# Altium PCB Copy of Motor_Driver_3_Phase.PcbDoc (part 2 of 3)
Units mm, origin at the board's own origin, x right, y up, seen from the top; angles counter-clockwise.
Board outline 253 x 311.5 mm, 4 copper layers (Top Layer, Layer 1, Layer 2, Bottom Layer), stack 0.604 mm thick; 362 components, 245 nets, 1054 pads, 775 vias.
Unrouted connection lines stored in the file: 100.
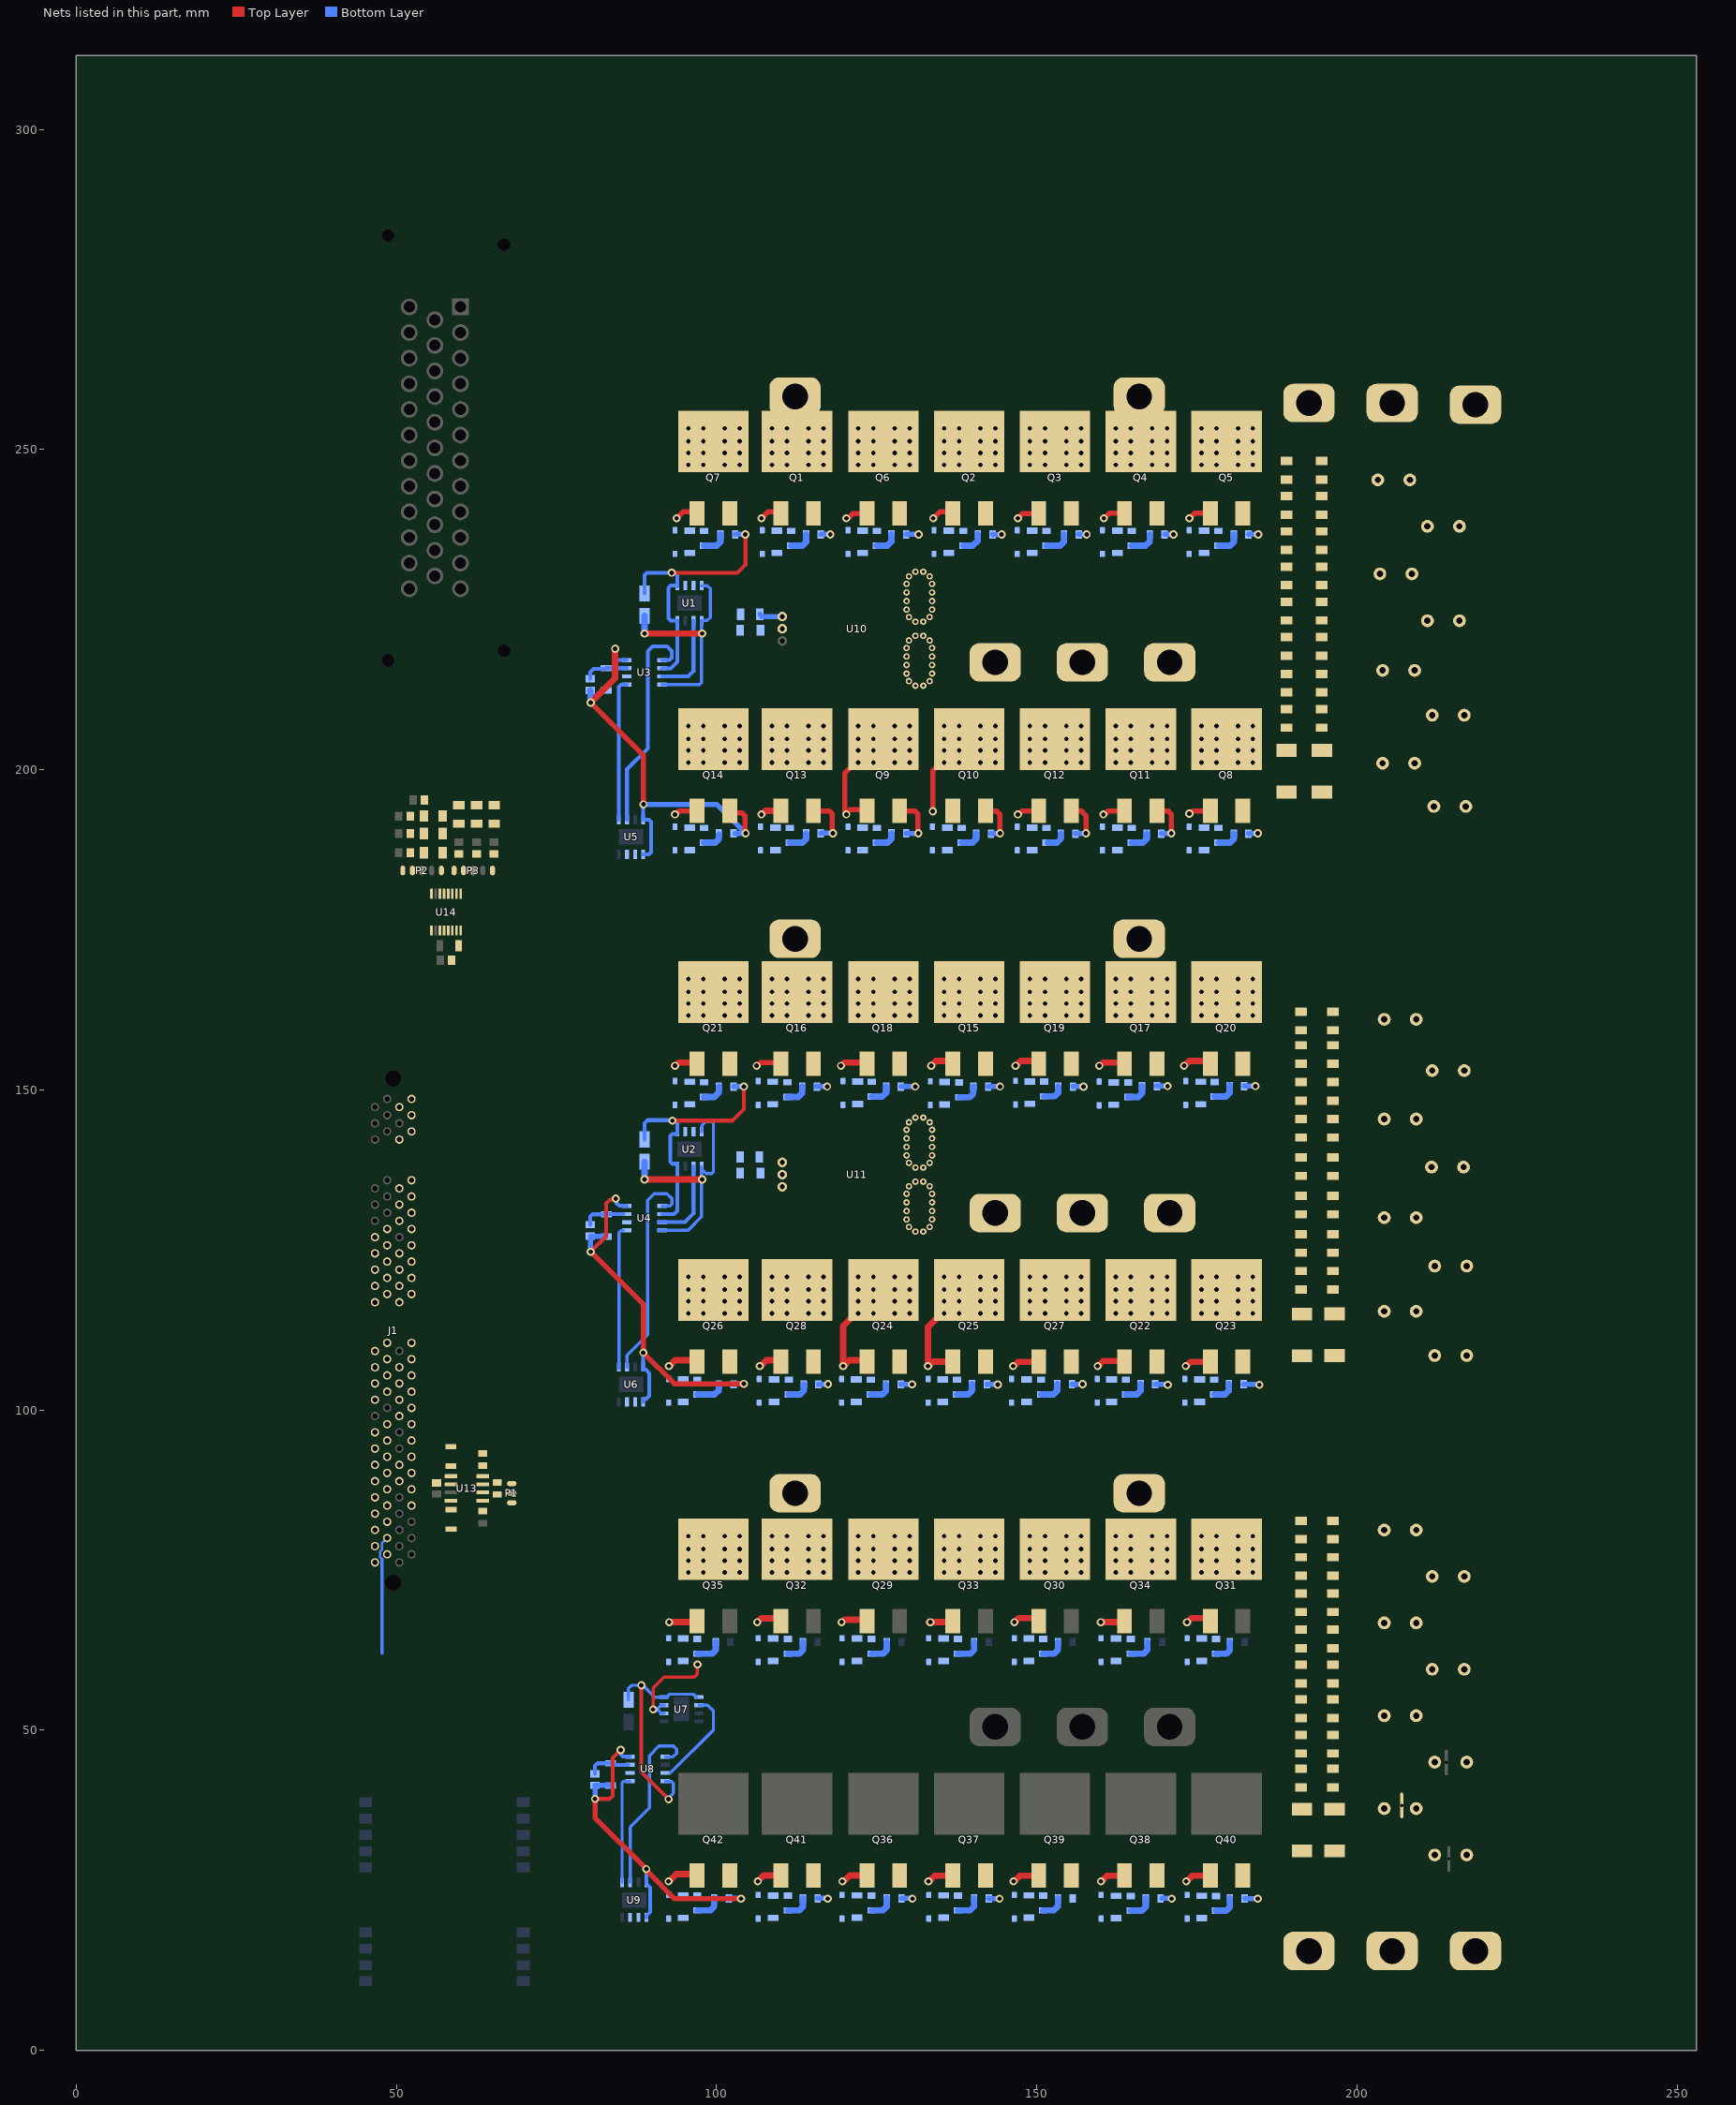
[diagram p4: the nets of this part, all layers, seen from the top]

## Via types
v1: diameter 1.27, hole 0.711, Top Layer to Bottom Layer, 775 vias

## Nets (pads, with @x,y where several pads share a name; then routed paths per layer and width w, separated by ;. In a path a pad name is that pad's centre, name@x,y a point inside that pad or via, vN(x,y) a via of type N, cw(c..) or ccw(c..) an arc to the next point about the centre after c; other vN are vias at no path point) (continued)
+48V: C1.2 C2.2 C18.2 C19.2 C31.1 C32.1 C35.2 C36.2 C40.1 C41.1 C48.1 C49.1 C52.1 C53.1 C54.1 C55.1 C56.1 C57.1 C58.1 C59.1 C60.1 C61.1 C62.1 C63.1 C64.1 C65.1 C66.1 C67.1 C68.1 C69.1 pad.2@206.98,38.239 Q1.3 Q2.3 Q3.3 Q4.3 Q5.3 Q6.3 Q7.3 Q15.3 Q16.3 Q17.3 Q18.3 Q19.3 Q20.3 Q21.3 Q29.3 Q30.3 Q31.3 Q32.3 Q33.3 Q34.3 Q35.3 T10.1 T11.1 T12.1 T16.1 T17.1 T18.1 T19.1 T20.1 T21.1
  other v1: 95.575,74.6 97.925,74.6 101.275,74.6 103.6,74.6 108.643,74.6 110.993,74.6 114.343,74.6 116.668,74.6 122.119,74.6 124.469,74.6 127.819,74.6 130.144,74.6 135.515,74.6 137.865,74.6 141.215,74.6 143.54,74.6 148.912,74.6 151.262,74.6 154.612,74.6 156.937,74.6 162.309,74.6 164.659,74.6 168.009,74.6 170.334,74.6 175.706,74.6 178.056,74.6 181.406,74.6 183.731,74.6 95.575,76.475 97.925,76.475 101.275,76.475 103.6,76.475 108.643,76.475 110.993,76.475 114.343,76.475 116.668,76.475 122.119,76.475 124.469,76.475 127.819,76.475 130.144,76.475 135.515,76.475 137.865,76.475 141.215,76.475 143.54,76.475 148.912,76.475 151.262,76.475 154.612,76.475 156.937,76.475 162.309,76.475 164.659,76.475 168.009,76.475 170.334,76.475 175.706,76.475 178.056,76.475 181.406,76.475 183.731,76.475 95.575,78.3 97.925,78.3 101.275,78.3 103.6,78.3 108.643,78.3 110.993,78.3 114.343,78.3 116.668,78.3 122.119,78.3 124.469,78.3 127.819,78.3 130.144,78.3 135.515,78.3 137.865,78.3 141.215,78.3 143.54,78.3 148.912,78.3 151.262,78.3 154.612,78.3 156.937,78.3 162.309,78.3 164.659,78.3 168.009,78.3 170.334,78.3 175.706,78.3 178.056,78.3 181.406,78.3 183.731,78.3 95.575,80.3 97.925,80.3 101.275,80.3 103.6,80.3 108.643,80.3 110.993,80.3 114.343,80.3 116.668,80.3 122.119,80.3 124.469,80.3 127.819,80.3 130.144,80.3 135.515,80.3 137.865,80.3 141.215,80.3 143.54,80.3 148.912,80.3 151.262,80.3 154.612,80.3 156.937,80.3 162.309,80.3 164.659,80.3 168.009,80.3 170.334,80.3 175.706,80.3 178.056,80.3 181.406,80.3 183.731,80.3 95.575,161.6 97.925,161.6 101.275,161.6 103.6,161.6 108.643,161.6 110.993,161.6 114.343,161.6 116.668,161.6 122.119,161.6 124.469,161.6 127.819,161.6 130.144,161.6 135.515,161.6 137.865,161.6 141.215,161.6 143.54,161.6 148.912,161.6 151.262,161.6 154.612,161.6 156.937,161.6 162.309,161.6 164.659,161.6 168.009,161.6 170.334,161.6 175.706,161.6 178.056,161.6 181.406,161.6 183.731,161.6 95.575,163.475 97.925,163.475 101.275,163.475 103.6,163.475 108.643,163.475 110.993,163.475 114.343,163.475 116.668,163.475 122.119,163.475 124.469,163.475 127.819,163.475 130.144,163.475 135.515,163.475 137.865,163.475 141.215,163.475 143.54,163.475 148.912,163.475 151.262,163.475 154.612,163.475 156.937,163.475 162.309,163.475 164.659,163.475 168.009,163.475 170.334,163.475 175.706,163.475 178.056,163.475 181.406,163.475 183.731,163.475 95.575,165.3 97.925,165.3 101.275,165.3 103.6,165.3 108.643,165.3 110.993,165.3 114.343,165.3 116.668,165.3 122.119,165.3 124.469,165.3 127.819,165.3 130.144,165.3 135.515,165.3 137.865,165.3 141.215,165.3 143.54,165.3 148.912,165.3 151.262,165.3 154.612,165.3 156.937,165.3 162.309,165.3 164.659,165.3 168.009,165.3 170.334,165.3 175.706,165.3 178.056,165.3 181.406,165.3 183.731,165.3 95.575,167.3 97.925,167.3 101.275,167.3 103.6,167.3 108.643,167.3 110.993,167.3 114.343,167.3 116.668,167.3 122.119,167.3 124.469,167.3 127.819,167.3 130.144,167.3 135.515,167.3 137.865,167.3 141.215,167.3 143.54,167.3 148.912,167.3 151.262,167.3 154.612,167.3 156.937,167.3 162.309,167.3 164.659,167.3 168.009,167.3 170.334,167.3 175.706,167.3 178.056,167.3 181.406,167.3 183.731,167.3 95.575,247.6 97.925,247.6 101.275,247.6 103.6,247.6 108.643,247.6 110.993,247.6 114.343,247.6 116.668,247.6 122.119,247.6 124.469,247.6 127.819,247.6 130.144,247.6 135.515,247.6 137.865,247.6 141.215,247.6 143.54,247.6 148.912,247.6 151.262,247.6 154.612,247.6 156.937,247.6 162.309,247.6 164.659,247.6 168.009,247.6 170.334,247.6 175.706,247.6 178.056,247.6 181.406,247.6 183.731,247.6 95.575,249.475 97.925,249.475 101.275,249.475 103.6,249.475 108.643,249.475 110.993,249.475 114.343,249.475 116.668,249.475 122.119,249.475 124.469,249.475 127.819,249.475 130.144,249.475 135.515,249.475 137.865,249.475 141.215,249.475 143.54,249.475 148.912,249.475 151.262,249.475 154.612,249.475 156.937,249.475 162.309,249.475 164.659,249.475 168.009,249.475 170.334,249.475 175.706,249.475 178.056,249.475 181.406,249.475 183.731,249.475 95.575,251.3 97.925,251.3 101.275,251.3 103.6,251.3 108.643,251.3 110.993,251.3 114.343,251.3 116.668,251.3 122.119,251.3 124.469,251.3 127.819,251.3 130.144,251.3 135.515,251.3 137.865,251.3 141.215,251.3 143.54,251.3 148.912,251.3 151.262,251.3 154.612,251.3 156.937,251.3 162.309,251.3 164.659,251.3 168.009,251.3 170.334,251.3 175.706,251.3 178.056,251.3 181.406,251.3 183.731,251.3 95.575,253.3 97.925,253.3 101.275,253.3 103.6,253.3 108.643,253.3 110.993,253.3 114.343,253.3 116.668,253.3 122.119,253.3 124.469,253.3 127.819,253.3 130.144,253.3 135.515,253.3 137.865,253.3 141.215,253.3 143.54,253.3 148.912,253.3 151.262,253.3 154.612,253.3 156.937,253.3 162.309,253.3 164.659,253.3 168.009,253.3 170.334,253.3 175.706,253.3 178.056,253.3 181.406,253.3 183.731,253.3
A: C8.2 C72.1 C73.1 C74.1 C93.1 C94.1 C95.1 C96.1 Q1.2 Q2.2 Q3.2 Q4.2 Q5.2 Q6.2 Q7.2 U1.4 U1.5 U3.6 U10.4 | length 54.4
  Top Layer w0.6: v1(93,230.75) 103.25,230.75 104.501,232.001 104.501,236.678 v1(104.46,236.719)
  Bottom Layer w0.5: C72.1@102.9,236.75 C72.1@102.915,236.735 ; v1@104.445,236.735 v1(104.46,236.719) ; C73.1@116.258,236.747 C73.1@116.258,236.747 ; v1@117.742,236.748 v1@117.743,236.75 ; C74.1@129.588,236.747 C74.1@129.614,236.773 ; v1@131.51,236.773 v1@131.536,236.799
  Bottom Layer w0.6: C8.2@88.75,227.5 88.75,230.399 89.101,230.75 v1(93,230.75) 93.494,230.75 93.845,230.399 U1.5@93.845,228.725 ; U3.6@91.487,215.835 92.835,215.835 93.845,216.845 U1.4@93.845,223.275 92.851,223.275 92.5,223.626 92.5,228.374 92.851,228.725 U1.5@93.845,228.725 ; U1.5@93.845,228.589 U1.5@93.845,228.725
  Bottom Layer w0.8: C72.1@102.915,236.735 v1@104.445,236.735 ; C73.1@116.258,236.747 v1@117.742,236.748 ; C74.1@129.614,236.773 v1@131.51,236.773 ; C93.1@143.095,236.747 143.129,236.713 144.474,236.713 v1@144.507,236.679 ; C94.1@156.539,236.747 156.556,236.729 157.759,236.729 v1@157.776,236.712 ; C95.1@169.944,236.747 169.947,236.75 171.326,236.75 v1@171.329,236.753 ; C96.1@183.056,236.747 183.076,236.767 184.554,236.767 v1@184.574,236.788
  other v1: 117.743,236.719 131.536,236.719 144.507,236.719 157.776,236.719 171.329,236.719 184.574,236.719
A1: D8.1 D9.1 Q8.3 Q9.1 Q9.3 Q10.1 Q10.3 Q11.3 Q12.3 Q13.3 Q14.3 R16.2 R18.2 R23.2 R24.2 T1.1 T2.1 T3.1 U10.5 | length 21.5
  Top Layer w0.8: v1(120.25,193) 120.25,193.127 120,193.377 120,199.386 121.719,201.104 v1(122.119,201.104) ; v1@120.25,193.25 120.377,193.25 120.854,193.727 123.331,193.727 Q9.1@123.504,193.554 ; v1(133.75,193.5) 133.75,199.861 134.219,200.329 134.74,200.329 v1(135.515,201.104)
  other v1: 95.575,201.104 97.925,201.104 101.275,201.104 103.6,201.104 108.643,201.104 110.993,201.104 114.343,201.104 116.668,201.104 124.469,201.104 127.819,201.104 130.144,201.104 137.865,201.104 141.215,201.104 143.54,201.104 148.912,201.104 151.262,201.104 154.612,201.104 156.937,201.104 162.309,201.104 164.659,201.104 168.009,201.104 170.334,201.104 175.706,201.104 178.056,201.104 181.406,201.104 183.731,201.104 95.575,202.979 97.925,202.979 101.275,202.979 103.6,202.979 108.643,202.979 110.993,202.979 114.343,202.979 116.668,202.979 122.119,202.979 124.469,202.979 127.819,202.979 130.144,202.979 135.515,202.979 137.865,202.979 141.215,202.979 143.54,202.979 148.912,202.979 151.262,202.979 154.612,202.979 156.937,202.979 162.309,202.979 164.659,202.979 168.009,202.979 170.334,202.979 175.706,202.979 178.056,202.979 181.406,202.979 183.731,202.979 95.575,204.804 97.925,204.804 101.275,204.804 103.6,204.804 108.643,204.804 110.993,204.804 114.343,204.804 116.668,204.804 122.119,204.804 124.469,204.804 127.819,204.804 130.144,204.804 135.515,204.804 137.865,204.804 141.215,204.804 143.54,204.804 148.912,204.804 151.262,204.804 154.612,204.804 156.937,204.804 162.309,204.804 164.659,204.804 168.009,204.804 170.334,204.804 175.706,204.804 178.056,204.804 181.406,204.804 183.731,204.804 95.575,206.804 97.925,206.804 101.275,206.804 103.6,206.804 108.643,206.804 110.993,206.804 114.343,206.804 116.668,206.804 122.119,206.804 124.469,206.804 127.819,206.804 130.144,206.804 135.515,206.804 137.865,206.804 141.215,206.804 143.54,206.804 148.912,206.804 151.262,206.804 154.612,206.804 156.937,206.804 162.309,206.804 164.659,206.804 168.009,206.804 170.334,206.804 175.706,206.804 178.056,206.804 181.406,206.804 183.731,206.804
ADC_A0: J1.14
ADC_A1: J1.18
ADC_A2: J1.22
ADC_A3: J1.26
ADC_A4: J1.30
ADC_A5: J1.34
ADC_A6: J1.38
ADC_A7: J1.42
ADC_B0: J1.13
ADC_B1: J1.17
ADC_B2: J1.21
ADC_B3: J1.25
ADC_B4: J1.29
ADC_B5: J1.33
ADC_B6: J1.37
ADC_B7: J1.41
B: C9.2 C104.1 C105.1 C106.1 C107.1 C108.1 C109.1 C110.1 Q15.2 Q16.2 Q17.2 Q18.2 Q19.2 Q20.2 Q21.2 U2.4 U2.5 U4.6 U11.4 | length 54.1
  Top Layer w0.6: v1(93.088,145.186) 102.474,145.186 104.25,146.962 v1(104.25,150.5)
  Bottom Layer w0.6: C9.2@88.75,142.25 88.75,144.75 89.25,145.25 93.494,145.25 93.845,144.899 U2.5@93.845,143.75 ; U4.6@91.487,130.585 93.335,130.585 93.845,131.095 93.845,138.45 93.101,138.45 92.75,138.801 92.75,142.769 93.101,143.121 93.845,143.121 U2.5@93.845,143.475
  Bottom Layer w0.8: C110.1@102.65,150.5 v1(104.25,150.5) ; C104.1@115.55,150.5 v1(117.25,150.5) ; C105.1@128.782,150.507 128.789,150.5 v1@131.25,150.5 ; C106.1@142.39,150.5 v1(144.25,150.5) ; C107.1@155.664,150.486 v1@157.265,150.486 ; C108.1@168.752,150.571 v1@170.655,150.571 ; C109.1@182.396,150.567 182.406,150.576 v1(184.12,150.576)
  other v1: 157.278,150.473 131,150.5 170.409,150.576
B1: D22.1 D23.1 Q22.3 Q23.3 Q24.1 Q24.3 Q25.1 Q25.3 Q26.3 Q27.3 Q28.3 R47.2 R48.2 R54.2 R55.2 T4.1 T5.1 T6.1 U11.5 | length 33
  Top Layer w0.8: Q23.3@177.75,122.504 Q23.3@181.5,118.754
  Top Layer w1: v1(122.119,115.104) 121.719,115.104 119.75,113.136 v1(119.75,106.843) 119.823,106.843 120.73,107.75 123.308,107.75 Q24.1@123.504,107.554 ; v1(135.515,115.104) 135.115,115.104 133,112.989 v1(133,106.843) 133.073,106.843 133.73,107.5 133.75,107.5 133.804,107.554 Q25.1@136.9,107.554 Q25.1@137.21,107.554
  other v1: 95.575,115.104 97.925,115.104 101.275,115.104 103.6,115.104 108.643,115.104 110.993,115.104 114.343,115.104 116.668,115.104 124.469,115.104 127.819,115.104 130.144,115.104 137.865,115.104 141.215,115.104 143.54,115.104 148.912,115.104 151.262,115.104 154.612,115.104 156.937,115.104 162.309,115.104 164.659,115.104 168.009,115.104 170.334,115.104 175.706,115.104 178.056,115.104 181.406,115.104 183.731,115.104 95.575,116.979 97.925,116.979 101.275,116.979 103.6,116.979 108.643,116.979 110.993,116.979 114.343,116.979 116.668,116.979 122.119,116.979 124.469,116.979 127.819,116.979 130.144,116.979 135.515,116.979 137.865,116.979 141.215,116.979 143.54,116.979 148.912,116.979 151.262,116.979 154.612,116.979 156.937,116.979 162.309,116.979 164.659,116.979 168.009,116.979 170.334,116.979 175.706,116.979 178.056,116.979 181.406,116.979 183.731,116.979 95.575,118.804 97.925,118.804 101.275,118.804 103.6,118.804 108.643,118.804 110.993,118.804 114.343,118.804 116.668,118.804 122.119,118.804 124.469,118.804 127.819,118.804 130.144,118.804 135.515,118.804 137.865,118.804 141.215,118.804 143.54,118.804 148.912,118.804 151.262,118.804 154.612,118.804 156.937,118.804 162.309,118.804 164.659,118.804 168.009,118.804 170.334,118.804 175.706,118.804 178.056,118.804 181.406,118.804 183.731,118.804 95.575,120.804 97.925,120.804 101.275,120.804 103.6,120.804 108.643,120.804 110.993,120.804 114.343,120.804 116.668,120.804 122.119,120.804 124.469,120.804 127.819,120.804 130.144,120.804 135.515,120.804 137.865,120.804 141.215,120.804 143.54,120.804 148.912,120.804 151.262,120.804 154.612,120.804 156.937,120.804 162.309,120.804 164.659,120.804 168.009,120.804 170.334,120.804 175.706,120.804 178.056,120.804 181.406,120.804 183.731,120.804
CANH: P1.1 R99.2 U13.7
CANL: P1.2 R99.1 U13.6
EQEP1A: C22.2 P2.1 R103.1 U14.16
EQEP1B: C39.2 P2.2 R104.1 U14.14 | length 0
  Top Layer w0.4: U14.14@56.77,180.625 U14.14@56.775,180.62
EQEP1I: C87.2 P2.3 R105.1 U14.13
EQEP2A: C88.2 P3.1 R106.1 U14.12 | length 0
  Top Layer w0.4: C88.2@59.733,191.533 C88.2@59.75,191.55
EQEP2B: C89.2 P3.2 R107.1 U14.11 | length 0.1
  Top Layer w0.4: C89.2@62.452,191.502 C89.2@62.5,191.55
EQEP2I: C90.2 P3.3 R108.1 U14.10 | length 0.8
  Top Layer w0.4: R108.1@64.6,186.85 R108.1@65.25,186.85 ; C90.2@65.176,191.476 C90.2@65.25,191.55
GND: C5.2 C14.2 C15.2 C22.1 C26.2 C31.2 C32.2 C39.1 C40.2 C41.2 C48.2 C49.2 C52.2 C53.2 C54.2 C55.2 C56.2 C57.2 C58.2 C59.2 C60.2 C61.2 C62.2 C63.2 C64.2 C65.2 C66.2 C67.2 C68.2 C69.2 C87.1 C88.1 C89.1 C90.1 C91.2 C92.2 C97.1 C98.1 C99.1 C100.1 C101.1 C102.1 C103.1 C111.1 C112.1 C113.1 C114.1 C115.1 C116.1 C117.1 C125.1 C126.1 C127.1 C128.1 C129.1 C130.1 C131.1 J1.15 J1.16 J1.19 J1.20 J1.23 J1.24 J1.27 J1.28 J1.53 J1.73 J1.93 P2.5 P3.5 Q8.2 Q9.2 Q10.2 Q11.2 Q12.2 Q13.2 Q14.2 Q22.2 Q23.2 Q24.2 Q25.2 Q26.2 Q27.2 Q28.2 Q36.2 Q37.2 Q38.2 Q39.2 Q40.2 Q41.2 Q42.2 R22.1 R30.1 R31.1 R53.1 R61.1 R62.1 R84.1 R92.1 R93.1 R102.1 T13.1 T14.1 T15.1 U3.4 U4.4 U5.4 U5.5 U6.4 U6.5 U8.4 U9.4 U9.5 U13.2 U14.9 | length 251.4
  Top Layer w0.5: C22.1@57,186.8 C22.1@57.2,187
  Top Layer w0.6: v1(80.343,124.704) 82.75,127.112 82.75,132.25 83.372,132.872 84.122,132.872 v1(84.25,133) ; v1(81.009,39.259) 83.259,39.259 83.75,39.75 83.75,45.635 v1(85.011,46.896)
  Top Layer w0.8: v1(80.34,210.471) 88.576,202.235 v1(88.576,194.577) ; v1(80.343,124.704) 88.54,116.507 v1(88.54,108.96) 93.414,104.086 v1(104.25,104.086) ; v1(81.009,39.259) 81.009,36.307 v1(89.014,28.301) 89.104,28.211 89.104,28.019 93.451,23.672 v1(103.807,23.672) ; Q14.2@102.04,193.554 102.344,193.25 103.967,193.25 104.436,192.781 104.436,190.142 v1@104.526,190.052 ; Q13.2@115.108,193.554 117.602,193.554 118.07,193.086 118.07,190.18 v1@118.16,190.09 ; Q9.2@128.584,193.554 130.941,193.554 131.41,193.086 131.41,190.09 v1@131.5,190 ; Q10.2@141.98,193.554 142.035,193.5 143.75,193.5 144.25,193 v1(144.25,190.047) v1@144.25,190 ; Q12.2@155.377,193.554 155.432,193.5 157,193.5 157.666,192.834 v1(157.666,190.047) v1@157.666,189.955 ; Q11.2@168.774,193.554 168.828,193.5 170.531,193.5 171,193.031 v1@171,190
  Top Layer w1: v1(80.34,210.471) 84.159,214.29 v1(84.159,218.866)
  Bottom Layer w0.6: v1@80.305,124.742 v1(80.343,124.704) ; C15.2@80.305,127.09 C15.2@80.309,127.094 ; R53.1@82.736,127.094 R53.1@82.778,127.052 ; v1(84.159,218.866) 84.159,217.457 84.51,217.105 U3.4@85.957,217.105 ; v1(84.25,133) 84.378,132.872 84.378,132.306 84.804,131.88 85.932,131.88 U4.4@85.957,131.855 ; v1(85.011,46.896) 85.011,46.239 85.37,45.88 86.432,45.88 U8.4@86.457,45.855 ; U6.5@88.54,101.25 88.54,101.675 88.965,101.675 89.5,102.21 89.5,105.74 88.965,106.275 88.54,106.275 U6.4@88.54,106.7 v1(88.54,108.96) ; U5.5@88.54,186.75 89.399,186.75 89.75,187.101 89.75,191.849 89.399,192.2 U5.4@88.54,192.2 88.54,194.541 v1(88.576,194.577) ; v1(89.014,28.301) 89.027,28.288 89.027,26.213 U9.4@89.04,26.2 89.04,25.975 89.64,25.375 89.64,21.575 89.04,20.975 U9.5@89.04,20.75
  Bottom Layer w0.8: v1@80.305,124.742 C15.2@80.305,127.09 ; C15.2@80.309,127.094 R53.1@82.736,127.094 ; v1(81.009,39.259) 81.009,41.31 81.05,41.352 83.433,41.352 R84.1@83.467,41.319 ; v1(88.576,194.577) 99.995,194.577 v1@104.523,190.049 ; C129.1@101.9,23.74 101.916,23.724 103.791,23.724 v1@103.807,23.708 ; C115.1@102.65,103.999 102.736,104.086 v1(104.25,104.086) ; C101.1@102.9,190.031 102.91,190.041 104.515,190.041 v1@104.523,190.049 ; v1(104.526,190.047) v1@104.523,190.049 ; C130.1@115.771,23.74 115.786,23.755 117.328,23.755 v1@117.343,23.77 ; C116.1@115.9,103.999 115.917,104.017 117.372,104.017 v1(117.389,104.034) ; C102.1@116.258,190.031 116.287,190.061 118.131,190.061 v1@118.16,190.09 ; C111.1@128.761,103.999 v1(130.5,104) ; C125.1@128.86,23.74 128.873,23.754 130.553,23.754 v1@130.567,23.768 ; C97.1@129.588,190.031 129.603,190.016 131.484,190.016 v1@131.5,190 ; C112.1@142.225,103.986 v1@143.875,103.986 ; C126.1@142.506,23.74 142.54,23.706 144.141,23.706 v1(144.175,23.672) ; C98.1@142.845,190 142.868,190.023 144.227,190.023 v1(144.25,190.047) ; C117.1@155.51,104.024 v1@157.129,104.024 ; C103.1@156.039,190 156.062,190.023 157.643,190.023 v1(157.666,190.047) ; v1@157.643,189.978 v1@157.666,189.955 ; C113.1@168.492,104.014 168.537,103.969 170.16,103.969 v1@170.205,103.924 ; C99.1@169.444,189.988 169.456,190 v1@171,190 ; C127.1@169.563,23.74 169.581,23.723 171.04,23.723 v1@171.057,23.705 ; C114.1@182.293,104.014 182.338,103.969 v1@184.705,103.969 ; C128.1@182.451,23.74 182.485,23.706 184.456,23.706 v1(184.49,23.672) ; C100.1@183.056,190 183.079,190.023 184.477,190.023 v1(184.5,190.047)
  Bottom Layer w1: C14.2@80.267,212.385 80.303,212.349 80.303,210.508 v1(80.34,210.471)
  other v1: 117.343,23.672 130.567,23.672 171.057,23.672 170.455,103.924 184.75,103.924 143.903,103.958 157.138,104.033 118.16,190.047 131.5,190.047 171,190.047
GPIO_00: J1.45 U3.2
GPIO_01: J1.46
GPIO_02: J1.47 U4.2 | length 18.6
  Bottom Layer w0.4: 47.75,76.687 47.441,76.996 47.441,77.914 47.75,78.223 ; 47.759,78.266 47.759,79.259 J1.47@48.373,79.873 ; J1.47@48.371,79.876 48.49,79.995 48.495,79.995 J1.47@48.55,79.995
  Bottom Layer w0.5: 47.75,62 47.75,75.717 47.759,75.726 47.759,76.644 47.75,76.653 47.75,76.687 ; J1.47@48.371,79.876 48.371,79.874 48.373,79.873 J1.47@48.38,79.865
GPIO_03: J1.48
GPIO_04: J1.49 U8.2
GPIO_05: J1.50
GPIO_06: J1.51
GPIO_07: J1.52
GPIO_08: J1.55
GPIO_09: J1.56
GPIO_10: J1.57
GPIO_11: J1.58
GPIO_12: J1.65
GPIO_13: J1.66
GPIO_14: J1.68
GPIO_15: J1.67
GPIO_16: J1.75
GPIO_17: J1.76
GPIO_18: J1.77
GPIO_19: J1.78
GPIO_20: J1.79 U14.1
GPIO_21: J1.80 U14.3
GPIO_22: J1.81
GPIO_23: J1.82 U14.4
GPIO_24: J1.69
GPIO_25: J1.70
GPIO_26: J1.71
GPIO_27: J1.72
GPIO_30: J1.87 R101.1
GPIO_31: J1.88 R100.1
GPIO_32: J1.89
GPIO_33: J1.90
GPIO_34: J1.91
GPIO_40: J1.59
GPIO_41: J1.60
GPIO_42: J1.61
GPIO_43: J1.62
GPIO_44: J1.36
GPIO_50: J1.63
GPIO_51: J1.83
GPIO_54: J1.39 U14.5
GPIO_55: J1.40 U14.6
GPIO_56: J1.43 U14.7
GPIO_57: J1.44
GPIO_58: J1.35
IFBA: C70.2 R94.2
IFBB: C71.2 R95.2
ISO5V: U11.1
ISO5vGnd: C70.1 C71.1 U10.2 U11.2
NetC1_1: C1.1 C3.2
NetC2_1: C2.1 C4.2
NetC3_1: C3.1 C6.2
NetC4_1: C4.1 C7.2
NetC6_1: C6.1 C10.2
NetC7_1: C7.1 C11.2
NetC8_1: C8.1 U1.1 U1.8 U3.8 | length 35.3
  Top Layer w1: v1(88.75,221.25) v1(97.75,221.25)
  Bottom Layer w0.5: U3.8@91.487,213.295 97.362,213.295 97.655,213.588 U1.1@97.655,223.275 98.525,223.275 99,223.75 99,228.25 98.525,228.725 U1.8@97.655,228.725
  Bottom Layer w1: v1(88.75,221.25) C8.1@88.75,224
NetC9_1: C9.1 U2.1 U2.8 U4.8 | length 40.2
  Top Layer w1: v1(88.75,136) v1(97.75,136)
  Bottom Layer w0.5: U4.8@90.987,128.045 95.545,128.045 97.655,130.155 97.655,136 U2.1@97.655,137.6 ; U2.1@97.655,138.025 U2.1@97.655,137.6 ; U2.8@97.655,143.475 97.705,143.525 97.705,144.455 98.365,145.115 99.207,145.115 99.5,144.822 99.5,137.189 99.207,136.896 98.359,136.896 97.705,137.55 U2.1@97.655,137.6
  Bottom Layer w1: v1(88.75,136) C9.1@88.75,138.75
NetC10_1: C10.1 C12.2
NetC11_1: C11.1 C13.2
NetC12_1: C12.1 C16.2
NetC13_1: C13.1 C17.2
NetC14_1: C14.1 R22.2 U3.3 | length 7
  Bottom Layer w0.6: C14.1@80.267,214.185 80.25,214.202 80.25,215.25 80.75,215.75 82.641,215.75 R22.2@82.744,215.853 82.752,215.844 85.948,215.844 U3.3@85.957,215.835
NetC15_1: C15.1 R53.2 U4.3 | length 6.6
  Bottom Layer w0.6: C15.1@80.267,128.935 80.267,130.2 80.619,130.552 R53.2@82.778,130.552 82.794,130.569 85.44,130.569 U4.3@85.457,130.585
NetC16_1: C16.1 C75.2
NetC17_1: C17.1 C76.2
NetC18_1: C18.1 C20.2
NetC19_1: C19.1 C21.2
NetC20_1: C20.1 C24.2
NetC21_1: C21.1 C25.2
NetC23_1: C23.1 U7.1 U7.8 U8.8 | length 37.4
  Top Layer w0.6: v1(88.25,57) 88.25,43.458 v1(92.5,39.208)
  Bottom Layer w0.5: C23.1@86.238,54.75 86.25,54.762 86.25,56.5 86.75,57 v1(88.25,57) 88.5,57 90.345,55.155 U7.8@91.775,55.155 92.2,55.155 92.65,55.605 96.35,55.605 U7.1@96.8,55.155 ; U8.8@91.987,42.045 92.062,41.97 92.957,41.97 93.25,41.677 93.25,40.167 92.5,39.417 v1(92.5,39.208)
NetC24_1: C24.1 C27.2
NetC25_1: C25.1 C28.2
NetC26_1: C26.1 R84.2 U8.3 | length 6.7
  Bottom Layer w0.6: C26.1@81.017,43.185 81.017,44.407 81.429,44.819 R84.2@83.467,44.819 83.817,44.819 84.05,44.585 U8.3@86.207,44.585
NetC27_1: C27.1 C29.2
NetC28_1: C28.1 C30.2
NetC29_1: C29.1 C33.2
NetC30_1: C30.1 C34.2
NetC33_1: C33.1 C79.2
NetC34_1: C34.1 C80.2
NetC35_1: C35.1 C37.2
NetC36_1: C36.1 C38.2
NetC37_1: C37.1 C42.2
NetC38_1: C38.1 C43.2
NetC42_1: C42.1 C44.2
NetC43_1: C43.1 C45.2
NetC44_1: C44.1 C46.2
NetC45_1: C45.1 C47.2
NetC46_1: C46.1 C50.2
NetC47_1: C47.1 C51.2
NetC50_1: C50.1 C83.2
NetC51_1: C51.1 C84.2
NetC72_2: C72.2 R14.1 | length 4
  Bottom Layer w1: R14.1@98.036,234.974 100.014,234.974 100.6,235.56 C72.2@100.6,236.75
NetC73_2: C73.2 R3.1 | length 3.7
  Bottom Layer w1: R3.1@111.657,234.974 113.372,234.974 113.958,235.56 C73.2@113.958,236.747
NetC74_2: C74.2 R5.1 | length 3.7
  Bottom Layer w1: R5.1@125.001,234.974 126.664,234.974 127.288,235.597 C74.2@127.288,236.747
NetC75_1: C75.1 C77.2
NetC76_1: C76.1 C78.2
NetC77_1: C77.1 R30.2
NetC78_1: C78.1 R31.2
NetC79_1: C79.1 C81.2
NetC80_1: C80.1 C82.2
NetC81_1: C81.1 R61.2
NetC82_1: C82.1 R62.2
NetC83_1: C83.1 C85.2
NetC84_1: C84.1 C86.2
NetC85_1: C85.1 R92.2
NetC86_1: C86.1 R93.2
NetC93_2: C93.2 R7.1 | length 3.6
  Bottom Layer w1: R7.1@138.519,234.974 139.974,234.974 140.795,235.795 C93.2@140.795,236.747
NetC94_2: C94.2 R9.1 | length 4.1
  Bottom Layer w1: R9.1@151.52,234.974 153.653,234.974 154.239,235.56 C94.2@154.239,236.747
NetC95_2: C95.2 R11.1 | length 4.2
  Bottom Layer w1: R11.1@164.81,234.974 166.974,234.974 167.644,235.644 C95.2@167.644,236.747
NetC96_2: C96.2 R13.1 | length 3.8
  Bottom Layer w1: R13.1@178.381,234.974 180.17,234.974 180.756,235.56 C96.2@180.756,236.747
NetC97_2: C97.2 R23.1 | length 3.4
  Bottom Layer w1: R23.1@125.001,188.588 126.702,188.588 127.288,189.174 C97.2@127.288,190.031
NetC98_2: C98.2 R24.1 | length 3.3
  Bottom Layer w1: R24.1@138.269,188.588 139.959,188.588 140.545,189.174 C98.2@140.545,190
NetC99_2: C99.2 R25.1 | length 3.4
  Bottom Layer w1: R25.1@164.81,188.588 166.558,188.588 167.144,189.174 C99.2@167.144,190
NetC100_2: C100.2 R26.1 | length 3.4
  Bottom Layer w1: R26.1@178.381,188.588 180.164,188.588 180.75,189.174 180.75,189.844 180.756,189.85 C100.2@180.756,190
NetC101_2: C101.2 R27.1 | length 3.3
  Bottom Layer w1: R27.1@98.036,188.588 99.764,188.588 100.35,189.174 C101.2@100.35,189.881
NetC102_2: C102.2 R28.1 | length 3.7
  Bottom Layer w1: R28.1@111.407,188.588 113.372,188.588 113.958,189.174 C102.2@113.958,190.031
NetC103_2: C103.2 R29.1 | length 3.1
  Bottom Layer w1: R29.1@151.75,188.588 153.153,188.588 153.739,189.174 C103.2@153.739,190
NetC104_2: C104.2 R34.1 | length 3.6
  Bottom Layer w1: R34.1@111.027,148.88 112.764,148.88 113.35,149.466 C104.2@113.35,150.5
NetC105_2: C105.2 R36.1 | length 3.4
  Bottom Layer w1: R36.1@124.236,148.941 125.869,148.941 126.474,149.547 C105.2@126.474,150.5
NetC106_2: C106.2 R38.1 | length 3.5
  Bottom Layer w1: R38.1@137.872,148.832 139.482,148.832 140.068,149.418 140.068,150.328 140.09,150.35 C106.2@140.09,150.5
NetC107_2: C107.2 R40.1 | length 3.4
  Bottom Layer w1: R40.1@151.154,148.975 152.764,148.975 153.35,149.561 C107.2@153.35,150.5
NetC108_2: C108.2 R42.1 | length 3.5
  Bottom Layer w1: R42.1@164.269,148.864 165.862,148.864 166.447,149.449 C108.2@166.447,150.567
NetC109_2: C109.2 R44.1 | length 3.8
  Bottom Layer w1: R44.1@177.792,148.933 179.511,148.933 180.096,149.519 C109.2@180.096,150.741
NetC110_2: C110.2 R45.1 | length 3.5
  Bottom Layer w1: R45.1@98.036,148.88 99.63,148.88 100.35,149.6 C110.2@100.35,150.5
NetC111_2: C111.2 R54.1 | length 3.6
  Bottom Layer w1: R54.1@124.05,102.428 125.875,102.428 126.461,103.014 C111.2@126.461,103.999
NetC112_2: C112.2 R55.1 | length 3.6
  Bottom Layer w1: R55.1@137.56,102.428 139.311,102.428 139.897,103.014 C112.2@139.897,104.014
NetC113_2: C113.2 R56.1 | length 3.5
  Bottom Layer w1: R56.1@163.914,102.428 165.606,102.428 166.192,103.014 C113.2@166.192,104.014
NetC114_2: C114.2 R57.1 | length 3.5
  Bottom Layer w1: R57.1@177.72,102.428 179.407,102.428 179.993,103.014 C114.2@179.993,104.014
NetC115_2: C115.2 R58.1 | length 4.5
  Bottom Layer w1: R58.1@96.982,102.428 99.678,102.428 100.35,103.1 C115.2@100.35,103.999
NetC116_2: C116.2 R59.1 | length 3.6
  Bottom Layer w1: R59.1@111.25,102.428 113.014,102.428 113.6,103.014 C116.2@113.6,103.999
NetC117_2: C117.2 R60.1 | length 3.8
  Bottom Layer w1: R60.1@150.666,102.428 152.615,102.428 153.2,103.014 C117.2@153.2,104.014
NetC118_2: C118.2 R65.1 | length 3.8
  Bottom Layer w1: R65.1@111.127,61.932 112.885,61.932 113.471,62.518 C118.2@113.471,63.772
NetC119_2: C119.2 R67.1 | length 3.9
  Bottom Layer w1: R67.1@124.189,61.932 125.974,61.932 126.56,62.518 C119.2@126.56,63.772
NetC120_2: C120.2 R69.1 | length 4
  Bottom Layer w1: R69.1@137.67,61.932 139.62,61.932 140.206,62.518 C120.2@140.206,63.772
NetC121_2: C121.2 R71.1 | length 3.8
  Bottom Layer w1: R71.1@151.01,61.932 152.711,61.932 153.297,62.518 C121.2@153.297,63.772
NetC122_2: C122.2 R73.1 | length 4.1
  Bottom Layer w1: R73.1@164.678,61.932 166.678,61.932 167.263,62.518 C122.2@167.263,63.772
NetC123_2: C123.2 R75.1 | length 3.7
  Bottom Layer w1: R75.1@177.973,61.932 179.565,61.932 180.151,62.518 C123.2@180.151,63.772
NetC124_2: C124.2 R76.1 | length 4.4
  Bottom Layer w1: R76.1@96.982,61.932 99.264,61.932 99.85,62.518 C124.2@99.85,63.772
NetC125_2: C125.2 R85.1 | length 3.9
  Bottom Layer w1: R85.1@124.189,21.852 125.974,21.852 126.56,22.437 C125.2@126.56,23.74
NetC126_2: C126.2 R86.1 | length 4.1
  Bottom Layer w1: R86.1@137.67,21.852 139.62,21.852 140.206,22.437 C126.2@140.206,23.74
NetC127_2: C127.2 R87.1 | length 3.9
  Bottom Layer w1: R87.1@164.678,21.802 164.828,21.802 164.835,21.795 166.428,21.795 167.013,22.381 C127.2@167.013,23.74
NetC128_2: C128.2 R88.1 | length 3.8
  Bottom Layer w1: R88.1@177.973,21.802 179.565,21.802 180.151,22.387 C128.2@180.151,23.74
NetC129_2: C129.2 R89.1 | length 4.2
  Bottom Layer w1: R89.1@96.982,21.839 99.014,21.839 99.6,22.425 C129.2@99.6,23.74
NetC130_2: C130.2 R90.1 | length 3.9
  Bottom Layer w1: R90.1@111.127,21.839 112.885,21.839 113.471,22.425 C130.2@113.471,23.74
NetC131_2: C131.2 R91.1 | length 3.8
  Bottom Layer w1: R91.1@151.01,21.852 152.711,21.852 153.297,22.437 C131.2@153.297,23.74
NetD1_1: D1.1 Q7.1 R1.2 R14.2 | length 4.8
  Top Layer w0.5: Q7.1@96.16,239.25 Q7.1@96.96,240.05
  Top Layer w0.8: v1(93.75,239.25) 94.75,240.25 96.76,240.25 Q7.1@96.96,240.05
NetD1_2: D1.2 D2.2 D3.2 D4.2 D5.2 D6.2 D7.2 R1.1 R2.1 R4.1 R6.1 R8.1 R10.1 R12.1 U1.6 U1.7
NetD2_1: D2.1 Q1.1 R2.2 R3.2 | length 4.6
  Top Layer w0.5: Q1.1@109.273,239.295 Q1.1@110.028,240.05
  Top Layer w0.8: v1(107,239.25) 108,240.25 109.828,240.25 Q1.1@110.028,240.05
NetD3_1: D3.1 Q6.1 R4.2 R5.2 | length 3.6
  Top Layer w0.8: v1@120.246,239.175 120.454,239.175 121.279,240 123.454,240 Q6.1@123.504,240.05
  other v1: 120.246,239.25
NetD4_1: D4.1 Q2.1 R6.2 R7.2 | length 3.5
  Top Layer w0.5: v1@133.824,239.426 v1@134.032,239.426 ; Q2.1@136.7,240.25 Q2.1@136.9,240.05
  Top Layer w0.8: v1@134.032,239.426 134.856,240.25 Q2.1@136.7,240.25
  other v1: 133.824,239.25
NetD5_1: D5.1 Q3.1 R8.2 R9.2 | length 3.6
  Top Layer w0.8: v1(147.035,239.25) 147.785,240 150.247,240 Q3.1@150.297,240.05
NetD6_1: D6.1 Q4.1 R10.2 R11.2 | length 3.6
  Top Layer w0.8: v1@160.458,239.274 160.558,239.274 161.334,240.05 Q4.1@163.694,240.05
  other v1: 160.458,239.25
NetD7_1: D7.1 Q5.1 R12.2 R13.2 | length 3.6
  Top Layer w0.8: v1(173.827,239.25) 174.627,240.05 Q5.1@177.091,240.05
NetD8_2: D8.2 D9.2 D10.2 D11.2 D12.2 D13.2 D14.2 R15.1 R16.1 R17.1 R18.1 R19.1 R20.1 R21.1 U5.6 U5.7 | length 0
  Bottom Layer w0.254: R18.1@122.429,187.424 R18.1@122.455,187.398
NetD10_1: D10.1 Q14.1 R15.2 R27.2 | length 3.7
  Top Layer w0.8: v1(93.5,193) 93.627,193 94.182,193.554 Q14.1@96.96,193.554
NetD11_1: D11.1 Q13.1 R17.2 R28.2 | length 3.3
  Top Layer w1: v1(107,193) 107.073,193 107.627,193.554 Q13.1@110.028,193.554
NetD12_1: D12.1 Q12.1 R19.2 R29.2 | length 3.5
  Top Layer w0.8: v1(147.049,193) 147.177,193 147.731,193.554 Q12.1@150.297,193.554
NetD13_1: D13.1 Q11.1 R20.2 R25.2 | length 3.7
  Top Layer w0.8: v1@160.394,192.79 160.394,192.873 160.611,193.09 160.694,193.09 161.159,193.554 Q11.1@163.694,193.554
  other v1: 160.394,193
NetD14_1: D14.1 Q8.1 R21.2 R26.2 | length 4.2
  Top Layer w0.8: v1(173.811,193.141) 173.938,193.141 174.352,193.554 Q8.1@177.841,193.554
NetD15_1: D15.1 Q21.1 R32.2 R45.2 | length 4.2
  Top Layer w0.254: Q21.1@96.66,153.75 Q21.1@96.96,154.05
  Top Layer w1: v1(93.5,153.75) 93.573,153.75 94.073,154.25 96.76,154.25 Q21.1@96.96,154.05
NetD15_2: D15.2 D16.2 D17.2 D18.2 D19.2 D20.2 D21.2 R32.1 R33.1 R35.1 R37.1 R39.1 R41.1 R43.1 U2.6 U2.7
NetD16_1: D16.1 Q16.1 R33.2 R34.2 | length 4.1
  Top Layer w0.8: v1(106.25,153.75) 106.377,153.75 106.877,154.25 109.828,154.25 Q16.1@110.028,154.05
NetD17_1: D17.1 Q18.1 R35.2 R36.2 | length 4.4
  Top Layer w1: v1(119.409,153.75) 119.482,153.75 119.982,154.25 123.304,154.25 Q18.1@123.504,154.05
NetD18_1: D18.1 Q15.1 R37.2 R38.2 | length 3.9
  Top Layer w1: v1(133.5,153.75) 134.25,154.5 136.45,154.5 Q15.1@136.9,154.05
NetD19_1: D19.1 Q19.1 R39.2 R40.2 | length 4.1
  Top Layer w1: v1(146.681,153.75) 146.754,153.75 147.504,154.5 149.847,154.5 Q19.1@150.297,154.05
NetD20_1: D20.1 Q17.1 R41.2 R42.2 | length 4.7
  Top Layer w0.254: Q17.1@163.394,153.75 Q17.1@163.694,154.05
  Top Layer w1: v1(159.75,153.75) 159.823,153.75 160.323,154.25 163.494,154.25 Q17.1@163.694,154.05
NetD21_1: D21.1 Q20.1 R43.2 R44.2 | length 4.6
  Top Layer w1: v1(173,153.75) 173.073,153.75 173.823,154.5 176.641,154.5 Q20.1@177.091,154.05
NetD22_2: D22.2 D23.2 D24.2 D25.2 D26.2 D27.2 D28.2 R46.1 R47.1 R48.1 R49.1 R50.1 R51.1 R52.1 U6.6 U6.7
NetD24_1: D24.1 Q26.1 R46.2 R58.2 | length 4.9
  Top Layer w1: v1(92.544,106.843) 92.617,106.843 93.523,107.75 96.764,107.75 Q26.1@96.96,107.554
NetD25_1: D25.1 Q28.1 R49.2 R59.2 | length 3.7
  Top Layer w1: v1(106.75,106.843) 106.823,106.843 107.73,107.75 109.832,107.75 Q28.1@110.028,107.554
NetD26_1: D26.1 Q27.1 R50.2 R60.2 | length 4.5
  Top Layer w1: v1(146.293,106.843) 146.366,106.843 147.022,107.5 150.406,107.5 Q27.1@150.46,107.554
NetD27_1: D27.1 Q22.1 R51.2 R56.2 | length 4.3
  Top Layer w1: v1(159.5,106.843) 159.573,106.843 160.395,107.665 163.35,107.665 Q22.1@163.46,107.554
NetD28_1: D28.1 Q23.1 R52.2 R57.2 | length 4.3
  Top Layer w1: v1(173.25,106.843) 173.323,106.843 173.98,107.5 177.156,107.5 Q23.1@177.21,107.554
NetD29_1: D29.1 Q35.1 R63.2 R76.2 | length 4.5
  Top Layer w1: v1(92.578,66.857) 96.767,66.857 Q35.1@96.96,67.05
NetD29_2: D29.2 D30.2 D31.2 D32.2 D33.2 D34.2 D35.2 R63.1 R64.1 R66.1 R68.1 R70.1 R72.1 R74.1 U7.6 U7.7 | length 16.6
  Top Layer w0.5: v1(90.082,53.23) 90.082,56.582 91.75,58.25 96.5,58.25 97,58.75 v1(97,60.25)
  Bottom Layer w0.5: U7.6@91.775,52.615 91.35,52.615 90.883,53.082 90.229,53.082 v1(90.082,53.23) 90.229,53.377 90.842,53.377 91.35,53.885 U7.7@91.775,53.885
NetD30_1: D30.1 Q32.1 R64.2 R65.2 | length 4.1
  Top Layer w1: v1(106.332,66.857) 106.405,66.857 106.985,67.437 109.641,67.437 Q32.1@110.028,67.05
NetD31_1: D31.1 Q29.1 R66.2 R67.2 | length 4.2
  Top Layer w1: v1(119.5,66.857) 119.573,66.857 119.966,67.25 123.304,67.25 Q29.1@123.504,67.05
NetD32_1: D32.1 Q33.1 R68.2 R69.2 | length 3.9
  Top Layer w1: v1@133.119,66.857 136.707,66.857 Q33.1@136.9,67.05
  other v1: 133.369,66.857
NetD33_1: D33.1 Q30.1 R70.2 R71.2 | length 4.3
  Top Layer w1: v1(146.5,66.857) 146.573,66.857 147.216,67.5 149.847,67.5 Q30.1@150.297,67.05
NetD34_1: D34.1 Q34.1 R72.2 R73.2 | length 3.8
  Top Layer w1: v1(160,66.857) 163.501,66.857 Q34.1@163.694,67.05
NetD35_1: D35.1 Q31.1 R74.2 R75.2 | length 4.1
  Top Layer w1: v1(173.452,66.857) 173.525,66.857 174.168,67.5 176.641,67.5 Q31.1@177.091,67.05
NetD36_1: D36.1 Q36.1 R78.2 R85.2 | length 4.2
  Top Layer w1: v1(119.638,26.379) 119.689,26.431 119.931,26.431 120.804,27.304 Q36.1@123.504,27.304
NetD36_2: D36.2 D37.2 D38.2 D39.2 D40.2 D41.2 D42.2 R77.1 R78.1 R79.1 R80.1 R81.1 R82.1 R83.1 U9.6 U9.7
NetD37_1: D37.1 Q37.1 R79.2 R86.2 | length 4.2
  Top Layer w1: v1(133.067,26.379) 133.14,26.379 134.011,27.25 136.846,27.25 Q37.1@136.9,27.304
NetD38_1: D38.1 Q42.1 R77.2 R89.2 | length 5
  Top Layer w1: v1(92.49,26.379) 92.563,26.379 93.684,27.5 96.764,27.5 Q42.1@96.96,27.304
NetD39_1: D39.1 Q41.1 R80.2 R90.2 | length 4
  Top Layer w1: v1(106.421,26.379) 106.421,26.421 107.304,27.304 Q41.1@110.028,27.304
NetD40_1: D40.1 Q39.1 R81.2 R91.2 | length 4.3
  Top Layer w1: v1(146.367,26.379) 146.44,26.379 147.311,27.25 150.243,27.25 Q39.1@150.297,27.304
NetD41_1: D41.1 Q38.1 R82.2 R87.2 | length 4.1
  Top Layer w1: v1(160.016,26.379) 160.089,26.379 160.96,27.25 163.64,27.25 Q38.1@163.694,27.304
NetD42_1: D42.1 Q40.1 R83.2 R88.2 | length 4.1
  Top Layer w1: v1(173.33,26.379) 173.403,26.379 174.273,27.25 177.036,27.25 Q40.1@177.091,27.304
NetR94_1: R94.1 U10.3 | length 3.6
  Bottom Layer w0.8: R94.1@106.75,224.25 107.09,223.91 U10.3@110.25,223.91
NetR95_1: R95.1 U11.3
NetR98_1: R98.1 U13.5
NetR100_2: R100.2 U13.1
NetR101_2: R101.2 U13.4
NetR102_2: R102.2 U13.8
NetR109_1: R109.1 U14.8 | length 0.4
  Top Layer w0.4: R109.1@59.71,172.5 R109.1@60.025,172.815
NetU1_2: U1.2 U3.7 | length 13.1
  Bottom Layer w0.6: U3.7@91.487,214.565 95.565,214.565 96.385,215.385 U1.2@96.385,223.275
NetU2_2: U2.2 U4.7 | length 13.3
  Bottom Layer w0.6: U4.7@90.987,129.315 95.065,129.315 96.385,130.635 U2.2@96.385,138.025
NetU3_1: U3.1 U5.1 | length 22.1
  Bottom Layer w0.6: U5.1@84.73,192.2 84.73,212.944 85.056,213.27 85.932,213.27 U3.1@85.957,213.295
NetU3_5: U3.5 U5.2 | length 34.7
  Bottom Layer w0.6: U5.2@86,192.2 86,200.063 89.25,203.313 89.25,218.5 90,219.25 92.25,219.25 93,218.5 93,217.457 92.649,217.105 U3.5@91.487,217.105
NetU4_1: U4.1 U6.1 | length 22
  Bottom Layer w0.5: U6.1@84.75,106.49 84.75,127.707 85.043,128 85.359,128 85.404,128.045 U4.1@85.429,128.045
NetU4_5: U4.5 U6.2 | length 34.4
  Bottom Layer w0.5: U6.2@86,106.7 86,108.5 89.25,111.75 89.25,132.75 90.25,133.75 92.25,133.75 93,133 93,132.148 92.707,131.855 U4.5@91.487,131.855
NetU7_2: U7.2 U8.7 | length 15.2
  Bottom Layer w0.5: 92.75,43.25 99.5,50 99.5,53 98.615,53.885 U7.2@97.225,53.885
NetU8_1: U8.1 U9.1 | length 16.9
  Bottom Layer w0.5: U9.1@85.23,26.2 85.23,41.73 85.5,42 86.412,42 U8.1@86.457,42.045
NetU8_5: U8.5 U9.2 | length 28.8
  Bottom Layer w0.5: U9.2@86.5,26.2 86.5,34.838 89.5,37.838 89.5,46 91,47.5 93.25,47.5 93.75,47 93.75,46.371 93.189,45.811 92.031,45.811 U8.5@91.987,45.855
PGND: P1.3
RX_GPIO_28: J1.85